# KiCad board handheld.kicad_pcb (continued)
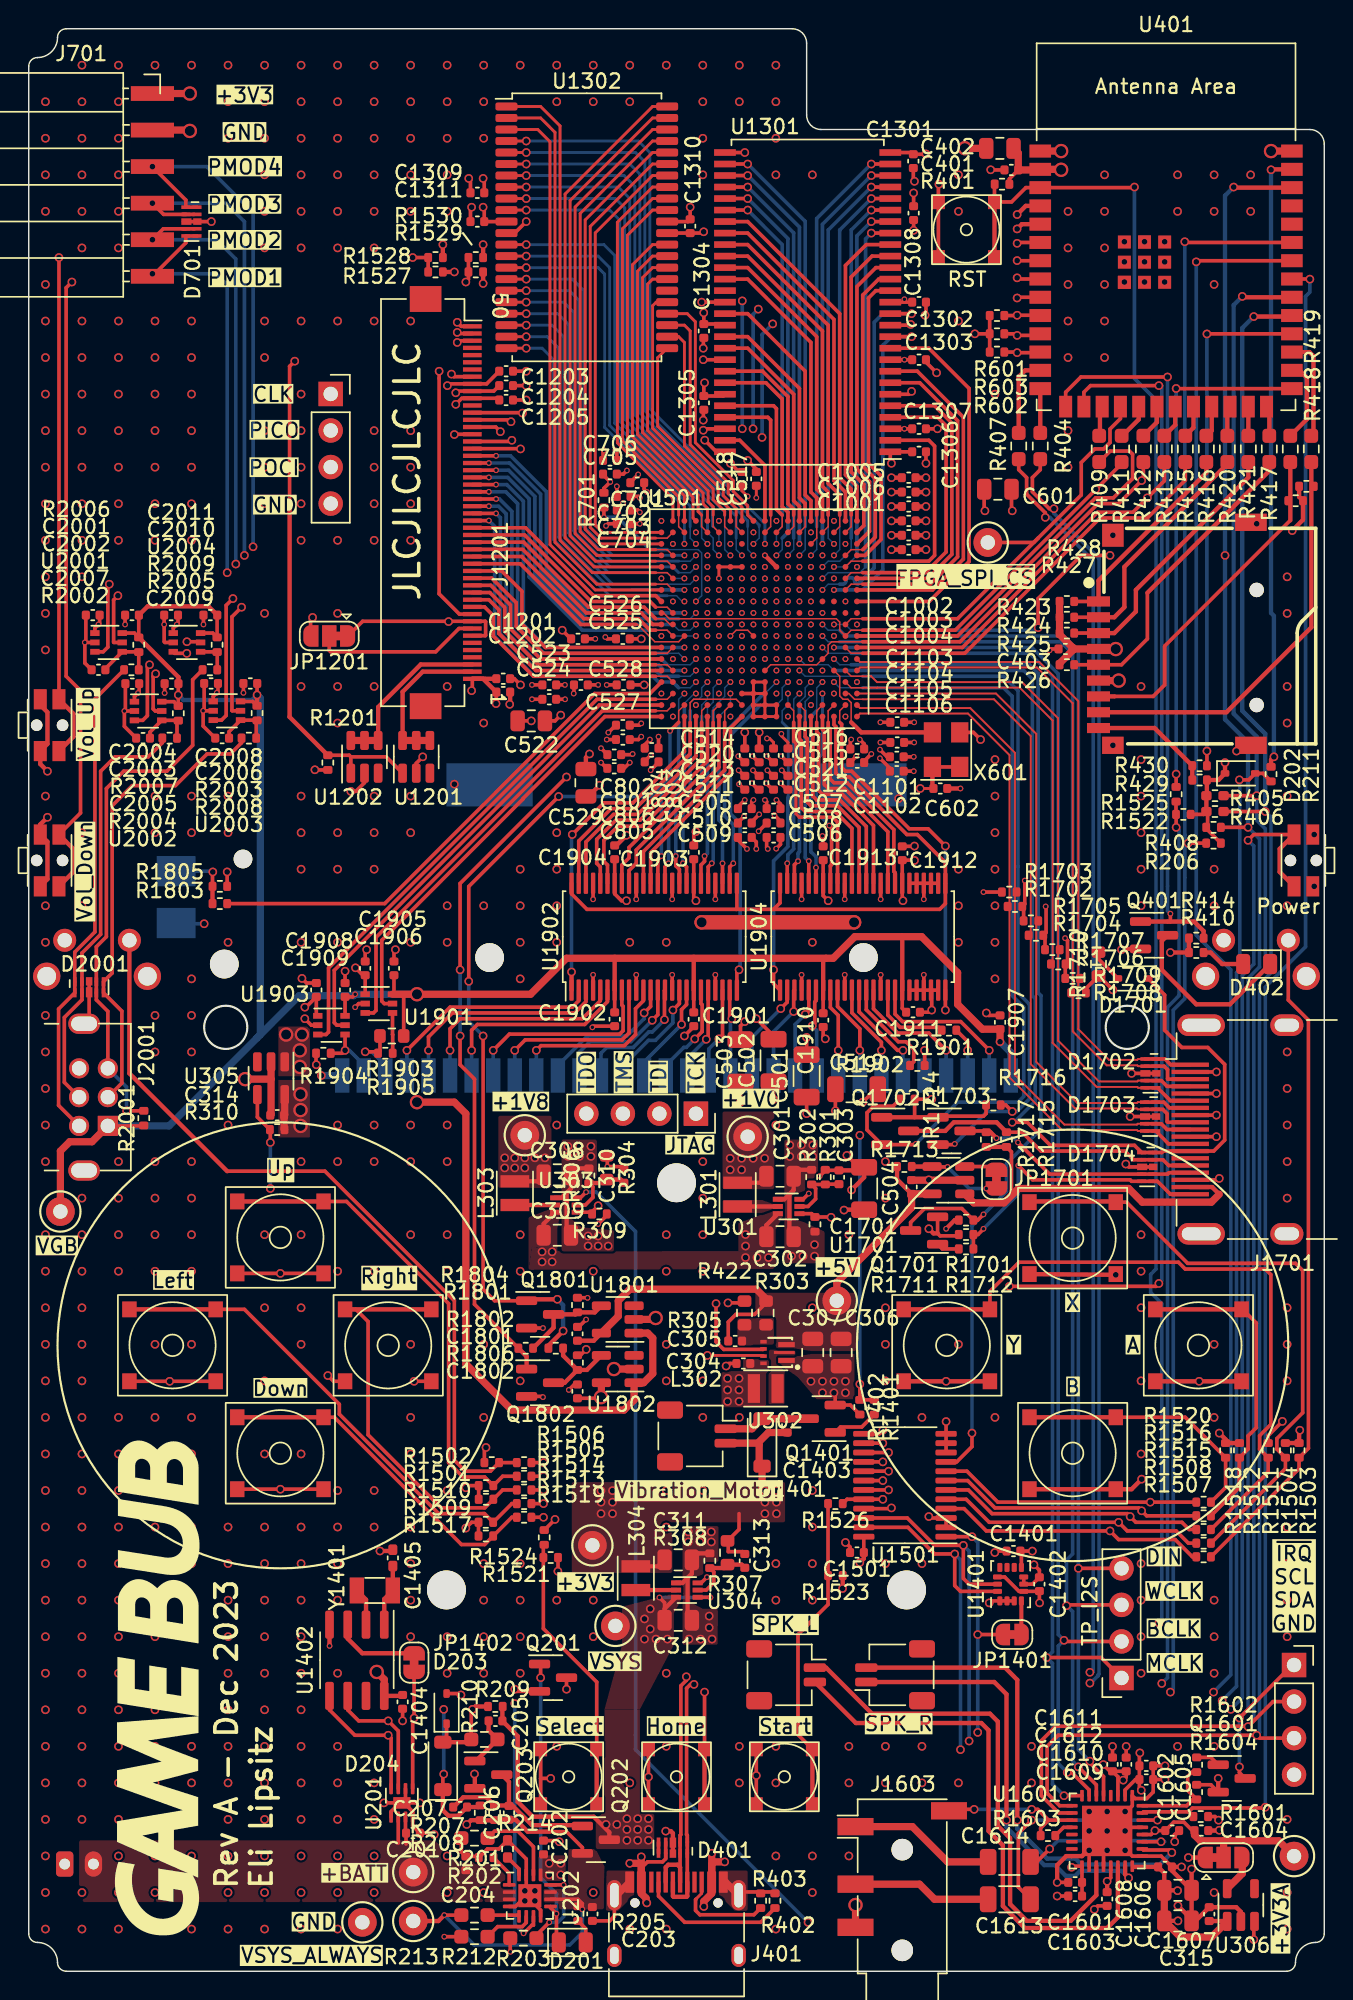
[diagram p0: board, top side]
## Nets (continued)
GND: C201.1 C202.2 C203.2 C204.2 C301.2 C302.2 C304.2 C306.2 C307.2 C308.2 C309.2 C311.2 C312.2 C314.1 C315.2 C401.1 C402.2 C403.1 C501.2 C502.2 C503.2 C504.2 C505.2 C506.2 C507.2 C508.2 C509.2 C510.2 C511.2 C512.2 C513.2 C514.2 C515.2 C516.2 C517.2 C518.2 C519.2 C520.2 C521.2 C522.2 C523.2 C524.2 C525.2 C526.2 C527.2 C528.2 C529.2 C601.2 C602.1 C701.2 C702.2 C703.2 C704.2 C705.2 C706.2 C801.2 C802.2 C803.2 C804.2 C805.2 C806.2 C1001.2 C1002.2 C1003.2 C1004.2 C1005.2 C1006.2 C1101.2 C1102.2 C1103.2 C1104.2 C1105.2 C1106.2 C1201.1 C1202.1 C1203.1 C1204.1 C1205.1 C1301.1 C1302.1 C1303.1 C1304.1 C1305.1 C1306.1 C1307.1 C1308.2 C1309.2 C1310.1 C1311.1 C1401.2 C1402.1 C1404.1 C1405.1 C1501.2 C1601.2 C1602.1 C1603.2 C1604.1 C1605.2 C1606.1 C1607.2 C1608.1 C1609.2 C1610.1 C1611.2 C1612.1 C1701.1 C1801.1 C1802.1 C1901.1 C1902.1 C1903.1 C1904.1 C1905.1 C1906.1 C1907.1 C1908.1 C1909.1 C1910.1 C1911.1 C1912.1 C1913.1 C2001.1 C2002.1 C2003.1 C2004.1 C2005.2 C2006.2 C2007.2 C2008.1 C2009.1 C2010.1 C2011.1 D203.2 D401.3 D401.8 D701.3 D701.8 D1702.3 D1702.8 D1703.3 D1703.8 D1704.3 D1704.8 D2001.3 D2001.8 J201.1 J401.A1 J401.A12 J401.B1 J401.B12 J401.S1 J402.6 J402.10 J403.4 J404.4 J701.2 J1201.35 J1201.43 J1201.48 J1201.49 J1201.50 J1603.R2 J1701.2 J1701.5 J1701.8 J1701.11 J1701.17 J1701.SH J1901.32 J1901.MP J2001.6 J2001.SH JP1201.3 Q201.2 Q203.2 Q401.2 Q1401.2 Q1601.2 Q1701.2 Q1801.2 Q1802.2 R201.2 R202.2 R203.2 R212.1 R214.1 R302.2 R305.2 R306.2 R308.2 R402.2 R403.2 R422.2 R1201.2 R1402.2 R1601.2 R1604.2 R1712.2 R1802.1 R1805.2 R1806.1 SW201.2 SW401.1 SW1501.2 SW1502.2 SW1503.2 SW1504.2 SW1505.2 SW1506.2 SW1507.2 SW1508.2 SW1509.2 SW1510.2 SW1511.2 SW1512.2 SW1513.2 SW1514.2 SW1515.2 TP306.1 U201.1 U201.4 U201.6 U201.9 U202.4 U202.8 U202.15 U202.17 U301.1 U302.1 U302.6 U303.1 U304.1 U305.2 U306.2 U401.1 U401.40 U401.41 U501.A2 U501.A12 U501.B5 U501.B15 U501.C8 U501.C18 U501.D1 U501.D11 U501.E4 U501.E8 U501.E14 U501.F7 U501.F9 U501.F11 U501.F17 U501.G8 U501.G10 U501.G12 U501.H3 U501.H7 U501.H9 U501.H11 U501.H13 U501.J6 U501.J8 U501.J9 U501.J10 U501.J12 U501.J16 U501.K7 U501.K9 U501.K10 U501.K11 U501.L2 U501.L8 U501.L9 U501.L10 U501.L12 U501.M5 U501.M7 U501.M9 U501.M11 U501.M15 U501.N8 U501.N10 U501.N12 U501.N18 U501.P1 U501.R4 U501.R14 U501.T7 U501.T17 U501.U10 U501.V3 U501.V13 U1201.2 U1202.2 U1301.6 U1301.12 U1301.28 U1301.41 U1301.46 U1301.52 U1301.54 U1302.12 U1302.34 U1401.1 U1401.2 U1401.3 U1401.6 U1401.7 U1402.4 U1501.2 U1501.3 U1501.10 U1501.11 U1501.12 U1501.13 U1501.21 U1601.1 U1601.16 U1601.18 U1601.20 U1601.25 U1601.29 U1601.33 U1701.2 U1801.2 U1802.2 U1901.2 U1902.4 U1902.10 U1902.15 U1902.21 U1902.28 U1902.34 U1902.39 U1902.45 U1903.2 U1904.4 U1904.10 U1904.15 U1904.19 U1904.20 U1904.21 U1904.22 U1904.23 U1904.26 U1904.27 U1904.28 U1904.29 U1904.30 U1904.34 U1904.39 U1904.45 U2001.2 U2002.2 U2003.2 U2004.2 X601.2
VBUS: C202.1 D401.4 D401.7 J401.A4 J401.A9 J401.B4 J401.B9 U202.13
+BATT: C201.2 C204.1 J201.2 TP201.1 U201.2 U201.3 U202.2 U202.3
/Audio/DAC_INT: R1602.2 R1604.1 U1601.32
/Audio/DAC_INT_R: Q1601.1 R1602.1
/Audio/Headphone_Jack_R: C1613.2 J1603.R1
/Audio/Headphone_Left: C1614.1 U1601.27
/Audio/Headphone_Mic: J1603.S R1603.2 U1601.11
/Audio/Headphone_Right: C1613.1 U1601.30
/Audio/HeadphoneJack_Tip: C1614.2 J1603.T
/Audio/MICBIAS: R1603.1 U1601.12
/Audio/Speaker_Left_M: J1601.1 U1601.19
/Audio/Speaker_Left_P: J1601.2 U1601.22
/Audio/Speaker_Right_M: J1602.1 U1601.23
/Audio/Speaker_Right_P: J1602.2 U1601.26
/Buttons/BTN_A_s: R1512.2 R1516.2 SW1508.1
/Buttons/BTN_B_s: R1518.2 R1520.2 SW1510.1
/Buttons/BTN_Down_s: R1517.2 R1519.2 SW1509.1
/Buttons/BTN_Home_s: R1522.2 R1525.2 SW1512.1
/Buttons/BTN_L_s: R1502.2 R1506.2 SW1502.1
/Buttons/BTN_Left_s: R1509.2 R1513.2 SW1505.1
/Buttons/BTN_R_s: R1503.2 R1507.2 SW1503.1
/Buttons/BTN_Right_s: R1510.2 R1514.2 SW1506.1
/Buttons/BTN_Select_s: R1521.2 R1524.2 SW1511.1
/Buttons/BTN_Start_s: R1523.2 R1526.2 SW1513.1
/Buttons/BTN_Up_s: R1501.2 R1505.2 SW1501.1
/Buttons/BTN_Vol_Down_s: R1529.2 R1530.2 SW1515.1
/Buttons/BTN_Vol_Up_s: R1527.2 R1528.2 SW1514.1
/Buttons/BTN_X_s: R1504.2 R1508.2 SW1504.1
/Buttons/BTN_Y_s: R1511.2 R1515.2 SW1507.1
/ESP32-S3/ESP32_SDIO_CLK: R417.1 U401.26
/ESP32-S3/ESP32_SDIO_CMD: R421.1 U401.25
/ESP32-S3/ESP32_SDIO_D0: R418.2 U401.28
/ESP32-S3/ESP32_SDIO_D1: R419.2 U401.29
/ESP32-S3/ESP32_SDIO_D2: R416.1 U401.23
/ESP32-S3/ESP32_SDIO_D3: R420.1 U401.24
/ESP32-S3/ESP32_SPI2_CLK: R412.1 U401.20
/ESP32-S3/ESP32_SPI2_D0: R411.1 U401.19
/ESP32-S3/ESP32_SPI2_D1: R413.1 U401.21
/ESP32-S3/ESP32_SPI2_D2: R415.1 U401.22
/ESP32-S3/ESP32_SPI2_D3: R409.1 U401.17
/ESP32-S3/ESP32_USB_D+: R404.1 U401.14
/ESP32-S3/ESP32_USB_D-: R407.1 U401.13
/ESP32-S3/SD_Detect: R430.2 U401.30
/ESP32-S3/SD_Detect_s: J402.9 R429.1 R430.1
/ESP32-S3/SDIO_CLK: J402.5 R417.2 R426.2
/ESP32-S3/SDIO_CMD: J402.3 R421.2 R425.2
/ESP32-S3/SDIO_D0: J402.7 R418.1 R427.2
/ESP32-S3/SDIO_D1: J402.8 R419.1 R428.2
/ESP32-S3/SDIO_D2: J402.1 R416.2 R423.2
/ESP32-S3/SDIO_D3/~{CS}: J402.2 R420.2 R424.2
/ESP32-S3/STATUS_LED: Q401.1 R414.2 U401.15
/ESP32-S3/Status_LED_A: D402.2 R410.2
/ESP32-S3/Status_LED_K: D402.1 Q401.3
/ESP32-S3/USB_CC1: J401.A5 R402.1
/ESP32-S3/USB_CC2: J401.B5 R403.1
/ESP32-S3/USB_D+: D401.1 D401.10 J401.A6 J401.B6 R404.2
/ESP32-S3/USB_D-: D401.2 D401.9 J401.A7 J401.B7 R407.2
/FPGA Config/FPGA_JTAG_TCK: J601.1 U501.E10
/FPGA Config/FPGA_JTAG_TDI: J601.2 U501.E11
/FPGA Config/FPGA_JTAG_TDO: J601.4 U501.E13
/FPGA Config/FPGA_JTAG_TMS: J601.3 U501.E12
/FPGA IO Bank 14/FPGA_PUDC_B: R701.1 U501.L15
/FPGA IO Bank 14/PMOD_1: D701.5 D701.6 J701.6 U501.M14
/FPGA IO Bank 14/PMOD_2: D701.4 D701.7 J701.5 U501.N14
/FPGA IO Bank 14/PMOD_3: D701.2 D701.9 J701.4 U501.P14
/FPGA IO Bank 14/PMOD_4: D701.1 D701.10 J701.3 U501.M13
/FPGA IO Bank 16/BANK16_VCCO: U501.A8 U501.A9 U501.A10 U501.B8 U501.B9 U501.B10 U501.C9 U501.C10 U501.C11 U501.D9 U501.D10
/Game Boy Interfaces/Game Boy Cartridge/Cart_A16: J1901.22 U1902.12
/Game Boy Interfaces/Game Boy Cartridge/Cart_A17: J1901.23 U1902.11
/Game Boy Interfaces/Game Boy Cartridge/Cart_A18: J1901.24 U1902.9
/Game Boy Interfaces/Game Boy Cartridge/Cart_A19: J1901.25 U1902.8
/Game Boy Interfaces/Game Boy Cartridge/Cart_A20: J1901.26 U1902.6
/Game Boy Interfaces/Game Boy Cartridge/Cart_A21: J1901.27 U1902.5
/Game Boy Interfaces/Game Boy Cartridge/Cart_A22: J1901.28 U1902.3
/Game Boy Interfaces/Game Boy Cartridge/Cart_A23: J1901.29 U1902.2
/Game Boy Interfaces/Game Boy Cartridge/Cart_AD0: J1901.6 U1904.12
/Game Boy Interfaces/Game Boy Cartridge/Cart_AD1: J1901.7 U1904.11
/Game Boy Interfaces/Game Boy Cartridge/Cart_AD2: J1901.8 U1904.9
/Game Boy Interfaces/Game Boy Cartridge/Cart_AD3: J1901.9 U1904.8
/Game Boy Interfaces/Game Boy Cartridge/Cart_AD4: J1901.10 U1904.6
/Game Boy Interfaces/Game Boy Cartridge/Cart_AD5: J1901.11 U1904.5
/Game Boy Interfaces/Game Boy Cartridge/Cart_AD6: J1901.12 U1904.3
/Game Boy Interfaces/Game Boy Cartridge/Cart_AD7: J1901.13 U1904.2
/Game Boy Interfaces/Game Boy Cartridge/Cart_AD8: J1901.14 U1902.23
/Game Boy Interfaces/Game Boy Cartridge/Cart_AD9: J1901.15 U1902.22
/Game Boy Interfaces/Game Boy Cartridge/Cart_AD10: J1901.16 U1902.20
/Game Boy Interfaces/Game Boy Cartridge/Cart_AD11: J1901.17 U1902.19
/Game Boy Interfaces/Game Boy Cartridge/Cart_AD12: J1901.18 U1902.17
/Game Boy Interfaces/Game Boy Cartridge/Cart_AD13: J1901.19 U1902.16
/Game Boy Interfaces/Game Boy Cartridge/Cart_AD14: J1901.20 U1902.14
/Game Boy Interfaces/Game Boy Cartridge/Cart_AD15: J1901.21 U1902.13
/Game Boy Interfaces/Game Boy Cartridge/Cart_PHI: J1901.2 U1904.17
/Game Boy Interfaces/Game Boy Cartridge/Cart_VIN: J1901.31 R1904.2 U1903.4
/Game Boy Interfaces/Game Boy Cartridge/Cart_~{CS1}: R1902.1 U1904.13
/Game Boy Interfaces/Game Boy Cartridge/Cart_~{CS1}_d: J1901.5 R1902.2
/Game Boy Interfaces/Game Boy Cartridge/Cart_~{CS2}: R1905.2 U1901.4
/Game Boy Interfaces/Game Boy Cartridge/Cart_~{CS2}_d: J1901.30 R1903.2 R1905.1
/Game Boy Interfaces/Game Boy Cartridge/Cart_~{RD}: J1901.4 U1904.14
/Game Boy Interfaces/Game Boy Cartridge/Cart_~{WR}: R1901.2 U1904.16
/Game Boy Interfaces/Game Boy Cartridge/Cart_~{WR}_d: J1901.3 R1901.1
/Game Boy Interfaces/Game Boy Link/Link_SC: R2005.2 R2009.2 U2004.4
/Game Boy Interfaces/Game Boy Link/Link_SC_a: D2001.4 D2001.7 J2001.5 R2001.2 R2005.1
/Game Boy Interfaces/Game Boy Link/Link_SD: C2005.1 R2004.2 R2007.2 U2002.4
/Game Boy Interfaces/Game Boy Link/Link_SD_a: D2001.2 D2001.9 J2001.4 R2004.1
/Game Boy Interfaces/Game Boy Link/Link_SI: C2006.1 R2003.2 R2008.2 U2003.4
/Game Boy Interfaces/Game Boy Link/Link_SI_a: D2001.5 D2001.6 J2001.3 R2003.1
/Game Boy Interfaces/Game Boy Link/Link_SO: C2007.1 R2002.2 R2006.2 U2001.4
/Game Boy Interfaces/Game Boy Link/Link_SO_a: D2001.1 D2001.10 J2001.2 R2002.1
/Game Boy Interfaces/SW_Cartridge_s: R1803.2 R1805.1 SW1801.1
/Game Boy Interfaces/VGB_3V3_SW_En: Q1802.3 R1804.2 R1806.2 U1802.4
/Game Boy Interfaces/VGB_5V_SW_En: Q1801.3 R1801.2 R1802.2 U1801.4
/HDMI/HDMI_5V_EN: JP1701.1 R1713.2 U1701.4
/HDMI/HDMI_5V_FLG: JP1701.2 U1701.3
/HDMI/HDMI_+5V: J1701.18 R1715.1 R1717.1 U1701.1
/HDMI/HDMI_CEC_DA: D1701.2 R1710.2
/HDMI/HDMI_HPD: D1704.5 D1704.6 J1701.19 R1711.2 R1712.1
/HDMI/HDMI_HPD_g: Q1701.1 R1711.1
/HDMI/HDMI_SCL_LS: D1704.2 D1704.9 J1701.15 Q1702.3 R1715.2
/HDMI/HDMI_SDA_LS: D1704.4 D1704.7 J1701.16 Q1703.3 R1717.2
/LCD/Backlight_Cathode_1: J1201.2 U1201.4 U1201.5 U1201.6
/LCD/Backlight_Cathode_2: J1201.3 U1202.4 U1202.5 U1202.6
/LCD/LCD_IM1: J1201.8 JP1201.2
/Peripherals/IMU_INT: JP1401.1 U1401.4
/Peripherals/RTC_INT: JP1402.1 U1402.3
/Peripherals/RTC_OSCI: C1405.2 U1402.1 Y1401.1
/Peripherals/RTC_OSCO: U1402.2 Y1401.2
/Peripherals/Vibrate_FET_g: Q1401.1 R1401.2
/Peripherals/Vibrate_N: C1403.1 D1401.2 J1401.1 Q1401.3
/Power Path/BTN_Power_s: C207.2 D204.1 R207.2 SW201.1
/Power Path/Charge_LED_A: D201.2 R205.2
/Power Path/PWR_EN1: R212.2 U202.6
/Power Path/PWR_EN2: R213.2 U202.5
/Power Path/PWR_ILIM: R203.1 U202.12
/Power Path/PWR_ISET: R214.2 U202.16
/Power Path/PWR_SW_nFET_g: C205.2 Q203.1 R210.1
/Power Path/PWR_SW_pFET_g: C206.2 C207.1 Q202.1 Q203.3 R208.2
/Power Path/PWR_TMR: R201.1 U202.14
/Power Path/PWR_TS: R202.1 U202.1
/Power Path/~{CHG}: D201.1 Q201.1 U202.9
/Power Path/~{POWER_SW_a}: D202.2 D203.1 D204.2 R209.2 R210.2 R211.1
/Power Regulators/Boost_5V_FB: C305.1 R303.2 R305.1 U302.4
/Power Regulators/Boost_5V_SW: L302.2 U302.2
/Power Regulators/Buck_1V0_FB: C303.1 R301.2 R302.1 U301.5
/Power Regulators/Buck_1V0_SW: L301.1 U301.2
/Power Regulators/Buck_1V8_FB: C310.1 R304.2 R306.1 U303.5
/Power Regulators/Buck_1V8_SW: L303.1 U303.2
/Power Regulators/Buck_3V3_FB: C313.1 R307.2 R308.1 U304.5
/Power Regulators/Buck_3V3_SW: L304.1 U304.2
/Power Regulators/LDO_+3V3_Out: JP301.3 U306.5
BATT_CHG: Q201.3 R206.2 U401.35
BTN_A: R1516.1 U501.N5 U1501.7
BTN_B: R1520.1 U501.P5 U1501.8
BTN_Down: R1519.1 U501.H5 U1501.18
BTN_Home: R1525.1 U401.27
BTN_L: R1506.1 U501.H6 U1501.14
BTN_Left: R1513.1 U501.G6 U1501.17
BTN_R: R1507.1 U501.L5 U1501.4
BTN_Right: R1514.1 U501.F5 U1501.16
BTN_Select: R1524.1 U501.J5 U1501.19
BTN_Start: R1526.1 U501.K5 U1501.20
BTN_Up: R1505.1 U501.E5 U1501.15
BTN_VOL_DOWN: R1530.1 U401.5
BTN_VOL_UP: R1528.1 U401.4
BTN_X: R1508.1 U501.L6 U1501.5
BTN_Y: R1515.1 U501.M6 U1501.6
DAC_BCLK: J1604.2 U501.G3 U1601.7
DAC_DIN: J1604.4 U501.J4 U1601.5
DAC_MCLK: J1604.1 U501.G4 U1601.8
DAC_WCLK: J1604.3 U501.H4 U1601.6
DAC_~{RESET}: R1601.1 U401.33 U1601.31
FPGA_CLK_50MHz: U501.E3 X601.3
FPGA_DONE: R601.1 U401.10 U501.P10
FPGA_INIT_B: R602.1 U401.12 U501.P7
FPGA_POWER_EN: R422.1 U301.4 U302.5 U401.16
FPGA_PROGRAM_B: R603.1 U401.11 U501.P9
FPGA_SPI_~{CS}: TP401.1 U401.18 U501.J2
GB_3V3_Enable: Q1801.1 R1804.1 U501.B16
GB_5V_Enable: Q1802.1 R1801.1 U501.J13
GB_Cart_A16: U501.A11 U1902.37
GB_Cart_A17: U501.B12 U1902.38
GB_Cart_A18: U501.A13 U1902.40
GB_Cart_A19: U501.B13 U1902.41
GB_Cart_A20: U501.A14 U1902.43
GB_Cart_A21: U501.B14 U1902.44
GB_Cart_A22: U501.A15 U1902.46
GB_Cart_A23: U501.B11 U1902.47
GB_Cart_AD0: U501.B6 U1904.37
GB_Cart_AD1: U501.A6 U1904.38
GB_Cart_AD2: U501.B7 U1904.40
GB_Cart_AD3: U501.C4 U1904.41
GB_Cart_AD4: U501.D4 U1904.43
GB_Cart_AD5: U501.C5 U1904.44
GB_Cart_AD6: U501.D5 U1904.46
GB_Cart_AD7: U501.C6 U1904.47
GB_Cart_AD8: U501.D8 U1902.26
GB_Cart_AD9: U501.C12 U1902.27
GB_Cart_AD10: U501.D12 U1902.29
GB_Cart_AD11: U501.D13 U1902.30
GB_Cart_AD12: U501.C14 U1902.32
GB_Cart_AD13: U501.D14 U1902.33
GB_Cart_AD14: U501.C15 U1902.35
GB_Cart_AD15: U501.C16 U1902.36
GB_Cart_PHI: U501.B3 U1904.32
GB_Cart_VIN: U501.C17 U1903.3
GB_Cart_~{CS1}: U501.A5 U1904.36
GB_Cart_~{CS2}: U501.B17 U1901.3
GB_Cart_~{OE}: U501.A3 U1902.25 U1902.48 U1904.25 U1904.48
GB_Cart_~{RD}: U501.B4 U1904.35
GB_Cart_~{WR}: U501.A4 U1904.33
GB_Dir_Cart0: U501.A16 U1902.1
GB_Dir_Cart1: U501.D7 U1902.24
GB_Dir_Cart2: U501.C7 U1904.1
GB_Dir_Cart3: U501.B2 U1904.24
GB_Dir_SC: U501.G14 U2004.5
GB_Dir_SD: U501.F13 U2002.5
GB_Dir_SI: U501.H14 U2003.5
GB_Dir_SO: U501.L14 U2001.5
GB_Dir_VIN: U501.B18 U1903.5
GB_Dir_~{CS2}: U501.A18 U1901.5
GB_Link_SC: U501.G13 U2004.3
GB_Link_SD: U501.F14 U2002.3
GB_Link_SI: U501.J14 U2003.3
GB_Link_SO: U501.L13 U2001.3
HDMI_CEC: D1701.1 D1704.1 D1704.10 J1701.13 U501.F6
HDMI_CLK+: D1703.4 D1703.7 J1701.10 R1703.2 U501.B1
HDMI_CLK-: D1703.5 D1703.6 J1701.12 R1702.2 U501.A1
HDMI_D0+: D1703.1 D1703.10 J1701.7 R1705.2 U501.C1
HDMI_D0-: D1703.2 D1703.9 J1701.9 R1704.2 U501.C2
HDMI_D1+: D1702.4 D1702.7 J1701.4 R1707.2 U501.E2
HDMI_D1-: D1702.5 D1702.6 J1701.6 R1706.2 U501.D2
HDMI_D2+: D1702.1 D1702.10 J1701.1 R1709.2 U501.F1
HDMI_D2-: D1702.2 D1702.9 J1701.3 R1708.2 U501.E1
HDMI_SCL: Q1702.2 R1714.1 U501.D3
HDMI_SDA: Q1703.2 R1716.1 U501.E6
HDMI_~{HPD}: Q1701.3 R1701.1 U501.F3 U1501.9
I2C0_SCL: J403.2 R405.2 U201.7 U401.32 U1401.13 U1402.6 U1501.22 U1601.10
I2C0_SDA: J403.3 R406.2 U201.8 U401.31 U1401.14 U1402.5 U1501.23 U1601.9
LCD_BACKLIGHT: R1201.1 U401.6 U1201.1 U1202.1
LCD_D/~{CX}: J1201.37 U401.9
LCD_DATA_EN: J1201.14 U501.F18
LCD_DB0: J1201.32 U501.K16
LCD_DB1: J1201.31 U501.K15
LCD_DB2: J1201.30 U501.J15
LCD_DB3: J1201.29 U501.H15
LCD_DB4: J1201.28 U501.G16
LCD_DB5: J1201.27 U501.F16
LCD_DB6: J1201.26 U501.F15
LCD_DB7: J1201.25 U501.E16
LCD_DB8: J1201.24 U501.E15
LCD_DB9: J1201.23 U501.D15
LCD_DB10: J1201.22 U501.L18
LCD_DB11: J1201.21 U501.K17
LCD_DB12: J1201.20 U501.J17
LCD_DB13: J1201.19 U501.J18
LCD_DB14: J1201.18 U501.H17
LCD_DB15: J1201.17 U501.H16
LCD_DB16: J1201.16 U501.G18
LCD_DB17: J1201.15 U501.G17
LCD_DOTCLK: J1201.13 U501.E17
LCD_HSYNC: J1201.12 U501.E18
LCD_VSYNC: J1201.11 U501.D17
LCD_~{CS}: J1201.38 U401.8
LCD_~{RST}: J1201.10 U401.7
MCU_~{IRQ}: J403.1 JP1401.2 JP1402.2 Q1601.3 R408.2 U201.5 U401.38 U501.J3 U1501.1
SDRAM_0_~{CS}: U501.V1 U1301.19
SDRAM_A0: U501.R3 U1301.23
SDRAM_A1: U501.T3 U1301.24
SDRAM_A2: U501.T4 U1301.25
SDRAM_A3: U501.R5 U1301.26
SDRAM_A4: U501.R6 U1301.29
SDRAM_A5: U501.T6 U1301.30
SDRAM_A6: U501.R7 U1301.31
SDRAM_A7: U501.R8 U1301.32
SDRAM_A8: U501.T8 U1301.33
SDRAM_A9: U501.U2 U1301.34
SDRAM_A10: U501.P4 U1301.22
SDRAM_A11: U501.V2 U1301.35
SDRAM_A12: U501.U3 U1301.36
SDRAM_BS0: U501.N4 U1301.20
SDRAM_BS1: U501.P3 U1301.21
SDRAM_CKE: U501.U4 U1301.37
SDRAM_CLK: U501.V4 U1301.38
SDRAM_DQ0: U501.P2 U1301.2
SDRAM_DQ1: U501.N2 U1301.4
SDRAM_DQ2: U501.N1 U1301.5
SDRAM_DQ3: U501.M2 U1301.7
SDRAM_DQ4: U501.M1 U1301.8
SDRAM_DQ5: U501.L1 U1301.10
SDRAM_DQ6: U501.M3 U1301.11
SDRAM_DQ7: U501.M4 U1301.13
SDRAM_DQ8: U501.V5 U1301.42
SDRAM_DQ9: U501.U6 U1301.44
SDRAM_DQ10: U501.V6 U1301.45
SDRAM_DQ11: U501.U7 U1301.47
SDRAM_DQ12: U501.V7 U1301.48
SDRAM_DQ13: U501.U8 U1301.50
SDRAM_DQ14: U501.U9 U1301.51
SDRAM_DQ15: U501.V9 U1301.53
SDRAM_LDQM: U501.R1 U1301.15
SDRAM_UDQM: U501.T5 U1301.39
SDRAM_~{CAS}: U501.T1 U1301.17
SDRAM_~{RAS}: U501.U1 U1301.18
SDRAM_~{WE}: U501.R2 U1301.16
SPI2_CLK: J404.1 J1201.36 R412.2 U501.E9 U501.F4
SPI2_D2: R415.2 U501.G2
SPI2_D3: R409.2 U501.H1
SPI2_PICO/D0: J404.2 J1201.34 R411.2 U501.H2 U501.K18
SPI2_POCI/D1: J404.3 J1201.33 R413.2 U501.G1
SRAM_A0: U501.N17 U1302.1
SRAM_A1: U501.M17 U1302.2
SRAM_A2: U501.M18 U1302.3
SRAM_A3: U501.T9 U1302.4
SRAM_A4: U501.T10 U1302.5
SRAM_A5: U501.P15 U1302.18
SRAM_A6: U501.N16 U1302.19
SRAM_A7: U501.N15 U1302.20
SRAM_A8: U501.M16 U1302.21
SRAM_A9: U501.L16 U1302.22
SRAM_A10: U501.V12 U1302.23
SRAM_A11: U501.U11 U1302.24
SRAM_A12: U501.V11 U1302.25
SRAM_A13: U501.V10 U1302.26
SRAM_A14: U501.U12 U1302.27
SRAM_A15: U501.R18 U1302.42
SRAM_A16: U501.P17 U1302.43
SRAM_A17: U501.P18 U1302.44
SRAM_IO0: U501.R11 U1302.7
SRAM_IO1: U501.R12 U1302.8
SRAM_IO2: U501.T13 U1302.9
SRAM_IO3: U501.R13 U1302.10
SRAM_IO4: U501.T14 U1302.13
SRAM_IO5: U501.T15 U1302.14
SRAM_IO6: U501.T16 U1302.15
SRAM_IO7: U501.R16 U1302.16
SRAM_IO8: U501.U13 U1302.29
SRAM_IO9: U501.V14 U1302.30
SRAM_IO10: U501.U14 U1302.31
SRAM_IO11: U501.V15 U1302.32
SRAM_IO12: U501.V16 U1302.35
SRAM_IO13: U501.U16 U1302.36
SRAM_IO14: U501.V17 U1302.37
SRAM_IO15: U501.U18 U1302.38
SRAM_~{CE}: U501.R10 U1302.6
SRAM_~{LB}: U501.U17 U1302.39
SRAM_~{OE}: U501.R17 U1302.41
SRAM_~{UB}: U501.T18 U1302.40
SRAM_~{WE}: U501.R15 U1302.17
SW_Cartridge: R1803.1 U501.D18
VGB: C1901.2 C1902.2 C1905.2 C1907.2 C1908.2 C1910.2 C1911.2 C2001.2 C2003.2 C2008.2 C2010.2 J1901.1 J2001.1 R1903.1 R2001.1 R2006.1 R2007.1 R2008.1 R2009.1 TP1801.1 U1801.1 U1802.1 U1901.6 U1902.7 U1902.18 U1903.6 U1904.7 U1904.18 U2001.6 U2002.6 U2003.6 U2004.6
VIBRATE_EN: R1401.1 R1402.1 U501.E7
VSYS: C205.1 C302.1 C304.1 C309.1 C312.1 C315.1 C1605.1 C1606.2 C1607.1 C1608.2 L302.1 Q202.3 R209.1 R309.1 TP203.1 U301.3 U302.7 U303.3 U304.3 U304.4 U306.1 U1601.21 U1601.24
VSYS_ALWAYS: C203.1 C206.1 C1404.2 Q202.2 R205.1 R207.1 R208.1 R213.1 TP202.1 U202.10 U202.11 U1402.8
~{POWER_SW}: R211.2 U401.39
~{VBUS_PGOOD}: U202.7 U401.34

Pads without a net: D401 5 6; J401 A8 B8; J1201 4 5 6 39 44 45 46 47 MP; J1401 MP; J1601 MP; J1602 MP; J1701 14; U305 3; U306 4; U401 36 37; U501 K1 K2 K3 K6 K13 L3 L4 N6 T11; U1201 3; U1202 3; U1301 40; U1302 28; U1401 9 10 11; U1402 7; U1601 4 13 14 15; U1801 3; U1802 3

## Via types
v1: diameter 0.4, hole 0.25, F.Cu (SIG) to B.Cu (SIG), 371 vias
v2: diameter 0.6, hole 0.4, F.Cu (SIG) to B.Cu (SIG), 1117 vias
v3: diameter 1, hole 0.7, F.Cu (SIG) to B.Cu (SIG), 25 vias

## Routing (per net, layer and track width the routed paths; a pad name or vN(x,y) marks a point on that pad's centre or on a via; arc(x,y) is an arc through that point)
+1V0: length 26.2
  F.Cu (SIG) w0.2: C517.1 50.6,102.44 ; 49.95,102.55 49.6,102.89 C518.1 ; C516.1 51.8,85.4 51.52,85.68 v1(51.34,85.68) ; C515.1 52.8,85.4 52.34,85.86 v1(52.34,86)
  F.Cu (SIG) w0.25: v1(51.4,78) 51.32,78.08 C508.1 ; C520.1 v2(50.8,86.1) ; 49.76,83.08 v1(49.37,83.46) ; C303.2 55.44,55.66 ; 49.32,80.92 v1(49.8,81.4) ; C514.1 v2(49.8,86.1) ; 55.4,55.65 v1(55.01,55.26) ; 52.76,83.08 v1(52.37,83.46) ; 57.72,55.88 v2(56.9,56.7) ; 49.32,79.83 v1(49.74,80.25) ; 50.76,83.08 v1(50.37,83.46) ; C519.1 v2(56.1,59.8) ; C503.1 v2(49.5,60.4) ; v1(52,81.4) 52.28,81.12 C507.1 ; 49.32,78.63 v1(49.95,78) ; 52.28,79.93 v1(51.86,80.35) ; C501.1 v2(54.1,59.6) ; 51.76,83.08 v1(51.37,83.46) ; C502.1 v2(51.8,60.6)
  F.Cu (SIG) w0.3: L301.2 50.85,54.8 C301.1 ; v1(50,102.5) 49.99,102.5 49.95,102.55 ; v2(57.23,54.3) 58.1,55.17 C504.1 ; C303.2 57.88,55.66 ; 50.6,102.44 v1(50.6,102.4)
  vias: v1(49.6,96.8) v1(49.6,95.2) v1(49.6,93.6) v1(49.6,92) v1(50.4,96) v1(50.4,91.2) v1(51.2,96.8) v1(51.2,92) v1(52,96) v1(52,94.4) v1(52,92.8) v1(52,91.2) v1(52.8,96.8) v1(52.8,95.2) v1(52.8,93.6) v1(52.8,92) v2(48.78,56.5) v2(48.78,55.7) v2(49.58,56.5) v2(49.58,55.7) v2(50.38,56.5) v2(51.18,56.5)
+1V8: length 90.6
  F.Cu (SIG) w0.1: v1(48.8,92.8) 49.2,93.2 50,93.2 U501.H10
  F.Cu (SIG) w0.25: 75.2,13.9 v2(74.73,14.36) ; C527.1 v1(39.6,89.4) ; 40.24,56.62 v1(40.24,55.92) 41.23,55.92 C310.2 ; C528.1 v2(42.8,89.4) ; v2(76.12,13.28) 76.32,13.49 C1609.1 C1610.2 75.75,13.52 U1601.3 ; C526.1 v1(39.4,92.6) ; v2(37,87.3) 36.6,86.9 C522.1 ; C524.1 v1(37.3,88.4) ; C525.1 v2(42.6,92.6) ; C523.1 v1(37.29,89.4)
  F.Cu (SIG) w0.3: L303.2 35.36,54.9 C308.1
  In3.Cu (PWR) w0.5: v1(40.24,55.92) 43.76,52.4 52,52.4 52.4,52 52.4,37.4 49.4,34.4 49.4,25.4 ; 49.4,25.4 49.4,24.4 50,23.8 63.4,23.8 71.84,15.36 74.04,15.36 74.73,14.67 v2(74.73,14.36) 75.04,14.36 v2(76.12,13.28) ; 49.4,25.4 49.4,24.8
  vias: v1(48.8,96) v1(48.8,94.4) v1(48.8,91.2) v2(33.1,56.53) v2(33.1,55.83) v2(33.8,56.53) v2(33.8,55.83) v2(34.5,56.53) v2(34.5,55.83) v2(35.2,56.53) v2(35.9,56.53)
+3V3: length 97.5
  F.Cu (SIG) w0.25: 70.27,26.4 U1401.5 68.87,26.4 67.87,27.4 U1401.12 ; v3(39.8,39.9) 39.72,39.82 C1802.2 ; R307.1 49.4,30.71 49.4,31.8 ; v2(70.3,25.6) 70.29,25.61 C1402.2 ; C1204.2 32.34,109.82 J1201.41 29.82,109.82 v2(29.7,109.7) ; R401.1 68.2,124.57 C401.2 ; C1203.2 31.84,110.32 J1201.42 29.23,110.32 v2(29.11,110.2) ; C1401.1 v2(69.8,29.2) ; v2(32.5,88.1) 32.52,88.12 C1202.2 ; R1522.1 81.7,80.4 R406.1 ; 58.07,30.15 58.07,29.11 ; R1510.1 R1501.1 30.55,33.75 v2(30.4,33.6) ; v2(30.4,30.8) 30.8,31.2 R1509.1 R1517.1 ; v2(30.8,89) 30.85,89.05 J1201.1 ; 81.89,79.42 R206.1 ; J1201.7 31.75,92.82 31.78,92.84 31.78,93.8 31.75,93.82 J1201.9 29.22,93.82 v2(29.2,93.8) 29.18,93.82 23.22,93.82 JP1201.1 ; v2(31.8,36.4) 31.69,36.29 R1502.1 ; R1521.1 36.81,27.81 v2(36.8,27.8) ; 81.99,79.5 81.99,80.51 ; R1511.1 86.2,37.23 v2(87.19,38.21) ; 32.6,109.32 J1201.40 30.12,109.32 v2(29.7,108.9) ; 48.65,29.86 48.65,29.16 49.64,29.16 C313.2 ; 69.04,29.13 U1401.8
  F.Cu (SIG) w0.3: 81.94,81.74 R429.2 82.74,82.79 D202.1 v2(83.2,84) ; R1523.1 56.61,26.61 v2(56.6,26.6) ; R1527.1 v2(29.6,118.1) ; v2(87.87,100.13) 88.62,100.87 R427.1 88.35,102.47 R428.1 ; J1201.1 31.6,89.82 C1202.2 ; J1201.1 31.75,89.82 ; J1201.1 32.51,89.82 ; L304.2 43.77,28.14 C311.1 ; R406.1 R405.1 ; R414.1 R410.1 v2(79.4,70.8) ; v2(82.8,37.4) 83.24,36.96 R1518.1 R1512.1 ; C1501.1 58.08,28.68 v2(57.8,28.4) ; R1529.1 v2(31.6,117.3) ; v2(88.4,37.6) 88.35,37.55 R1503.1 R1504.1
  F.Cu (SIG) w0.5: 70.31,125.19 C401.2 68.82,126.36 C402.1 ; R310.1 17.76,58.52 C314.2 17.8,59.53 U305.5 ; 50.8,35.3 50.8,36.6 50.7,36.7 ; R426.1 71.69,90.89 72.7,91.9 J402.4 75.59,91.9 v3(75.6,91.89) ; v2(51.2,33.4) 51,33.6 D1401.1 ; v3(39.8,39.9) 39.82,39.92 39.82,40.9 ; C403.2 72.58,92.02 71.69,92.91 R425.1 R424.1 R423.1 ; 52.79,37.4 C1403.2 51.44,37.44 50.7,36.7 ; J1401.2 50.7,36.7 ; v3(71.8,125.2) 71.77,125.23 U401.2
  vias: v2(39.8,33.4) v2(39.8,32.6) v2(39.8,31.8) v2(40.6,33.4) v2(40.6,32.6) v2(40.6,31.8) v2(51.2,32.6) v2(51.2,31.8) v2(52,33.4) v2(52,32.6) v2(52,31.8) v3(18.9,60.95) v3(18.9,59.85) v3(18.9,58.75)
+3V3_FPGA: length 194.5
  F.Cu (SIG) w0.2: U501.P11 U501.P12 U501.P13 v1(48,96.8) ; C602.2 v2(62,82.2)
  F.Cu (SIG) w0.25: C802.1 42.47,86.6 v1(42.6,86.73) ; C1612.2 76.98,13.32 76.25,12.6 U1601.2 ; C1612.2 C1611.1 77.25,15.15 v2(77.28,15.18) ; C1612.2 77.25,12.71 v2(77.38,12.57) ; C704.1 v1(42.5,100.6) ; v2(41.57,74.4) 41.23,74.4 40.75,74.88 U1902.42 ; v1(40,105.7) 39.94,105.64 C706.1 ; R1704.1 70.75,72.19 70.75,73.97 v1(70.73,74) ; R1710.1 73.52,68.3 R1708.1 ; v2(60.8,74.4) 60.75,74.45 U1904.31 60.75,77.12 ; U1902.31 46.25,74.55 v2(46.4,74.4) ; C1309.1 31.68,124.52 v2(31.6,124.6) ; U1301.27 61.4,126.4 ; X601.4 X601.1 ; v1(59.2,84.9) 59.7,84.4 C1105.1 ; C1306.2 U1301.1 59.92,104.88 v2(60,104.8) ; v2(55.6,74.4) 55.25,74.75 U1904.42 C1913.2 ; C1303.2 U1301.9 ; 74.43,69.17 v2(75.4,68.2) ; C1104.1 v1(59.23,85.4) ; U2003.1 12.83,88.6 v1(13.08,88.85) 13.16,88.93 C2009.2 ; R603.2 v2(65.8,113.8) ; R603.2 R601.2 ; R603.2 R602.2 ; v2(20,63) 19.98,63.02 R1904.1 ; C1305.2 46.95,110.35 v2(47,110.4) ; C1308.1 v2(61.54,123.59) ; C1106.1 59.89,83.61 v1(59.2,84.3) ; 23.24,69.22 v2(22.72,69.74) ; U1301.49 48.3,109.48 46.92,109.48 ; C1903.2 46.25,75.67 ; C806.1 41.95,84.55 v1(42,84.6) ; C702.1 42.4,102.5 v1(42.5,102.4) ; U1903.1 20,66.5 C1909.2 19.28,67 v2(19.2,67) ; 39.94,104.01 v1(40.44,103.5) 40,103.06 R701.2 ; C701.1 42.8,103 v1(43,102.8) ; C1101.1 57.14,85.54 v1(57.2,85.6) ; C805.1 41.4,83.6 v1(41.8,84) ; U2004.1 10.05,93.35 v1(10.3,93.6) 10.38,93.68 C2011.2 ; R1709.1 72.09,69.98 ; C1304.2 46.95,115.26 v2(46.94,115.26) ; U2001.1 4.6,93.35 v1(4.85,93.6) 4.93,93.68 C2002.2 ; 63.32,59.42 66.4,59.42 66.58,59.61 R1716.2 ; 72.25,70.14 72.25,71.63 v1(72.07,71.8) ; R1703.1 v1(66.4,75) ; C1301.2 62.38,126.28 v2(62.4,126.3) ; U1302.33 C1310.2 46.85,120.8 v2(46.94,120.89) ; U1301.14 C1302.2 ; v2(66.5,101.5) 66.45,101.55 C601.1 ; C801.1 42.4,85.6 v1(42.6,85.8) ; C804.1 v1(43.8,85.8) ; U2002.1 7.35,88.58 v1(7.6,88.83) 7.68,88.92 C2004.2 ; v2(62.8,60.6) R1714.2 61.61,59.36 61.6,59.35 ; R1702.1 69.27,74.17 v1(69.27,75.8) ; C1307.2 v1(60.9,107.2) U1301.3 ; C1912.2 61.58,77.22 v2(61.6,77.2) ; C703.1 42.35,101.55 v1(42.5,101.4) ; R1705.1 69.19,73.91 ; R1707.1 70.68,71.88 ; C1906.2 U1901.1 ; 57.14,84.03 v1(57.55,84.44) ; 43.8,84.02 v1(43.25,83.47) ; v2(31.6,122.6) 31.68,122.52 C1311.2 U1302.11 ; C1103.1 v1(59.23,86.8) ; 46.92,114.48 48.34,114.48 ; 40.75,77.18 40.75,75.67
  F.Cu (SIG) w0.3: C1001.1 v2(60,101.8) ; Q1702.1 Q1703.1 ; v1(63.8,51.6) 64.4,52.2 R1701.2 ; C1006.1 v2(60,102.8) ; C1002.1 v2(60,100.8) ; v1(51.2,98.4) U501.P8 ; 38.92,81.65 v2(39.7,82.43) ; C1003.1 v2(60,99.8) ; C1005.1 v2(60,103.8) ; JP301.1 v2(80.65,7.9) ; X601.4 62.85,82.27 ; C1004.1 v2(60,98.8)